# KiCad board rabbit_mask_capacitors.kicad_pcb (continued)
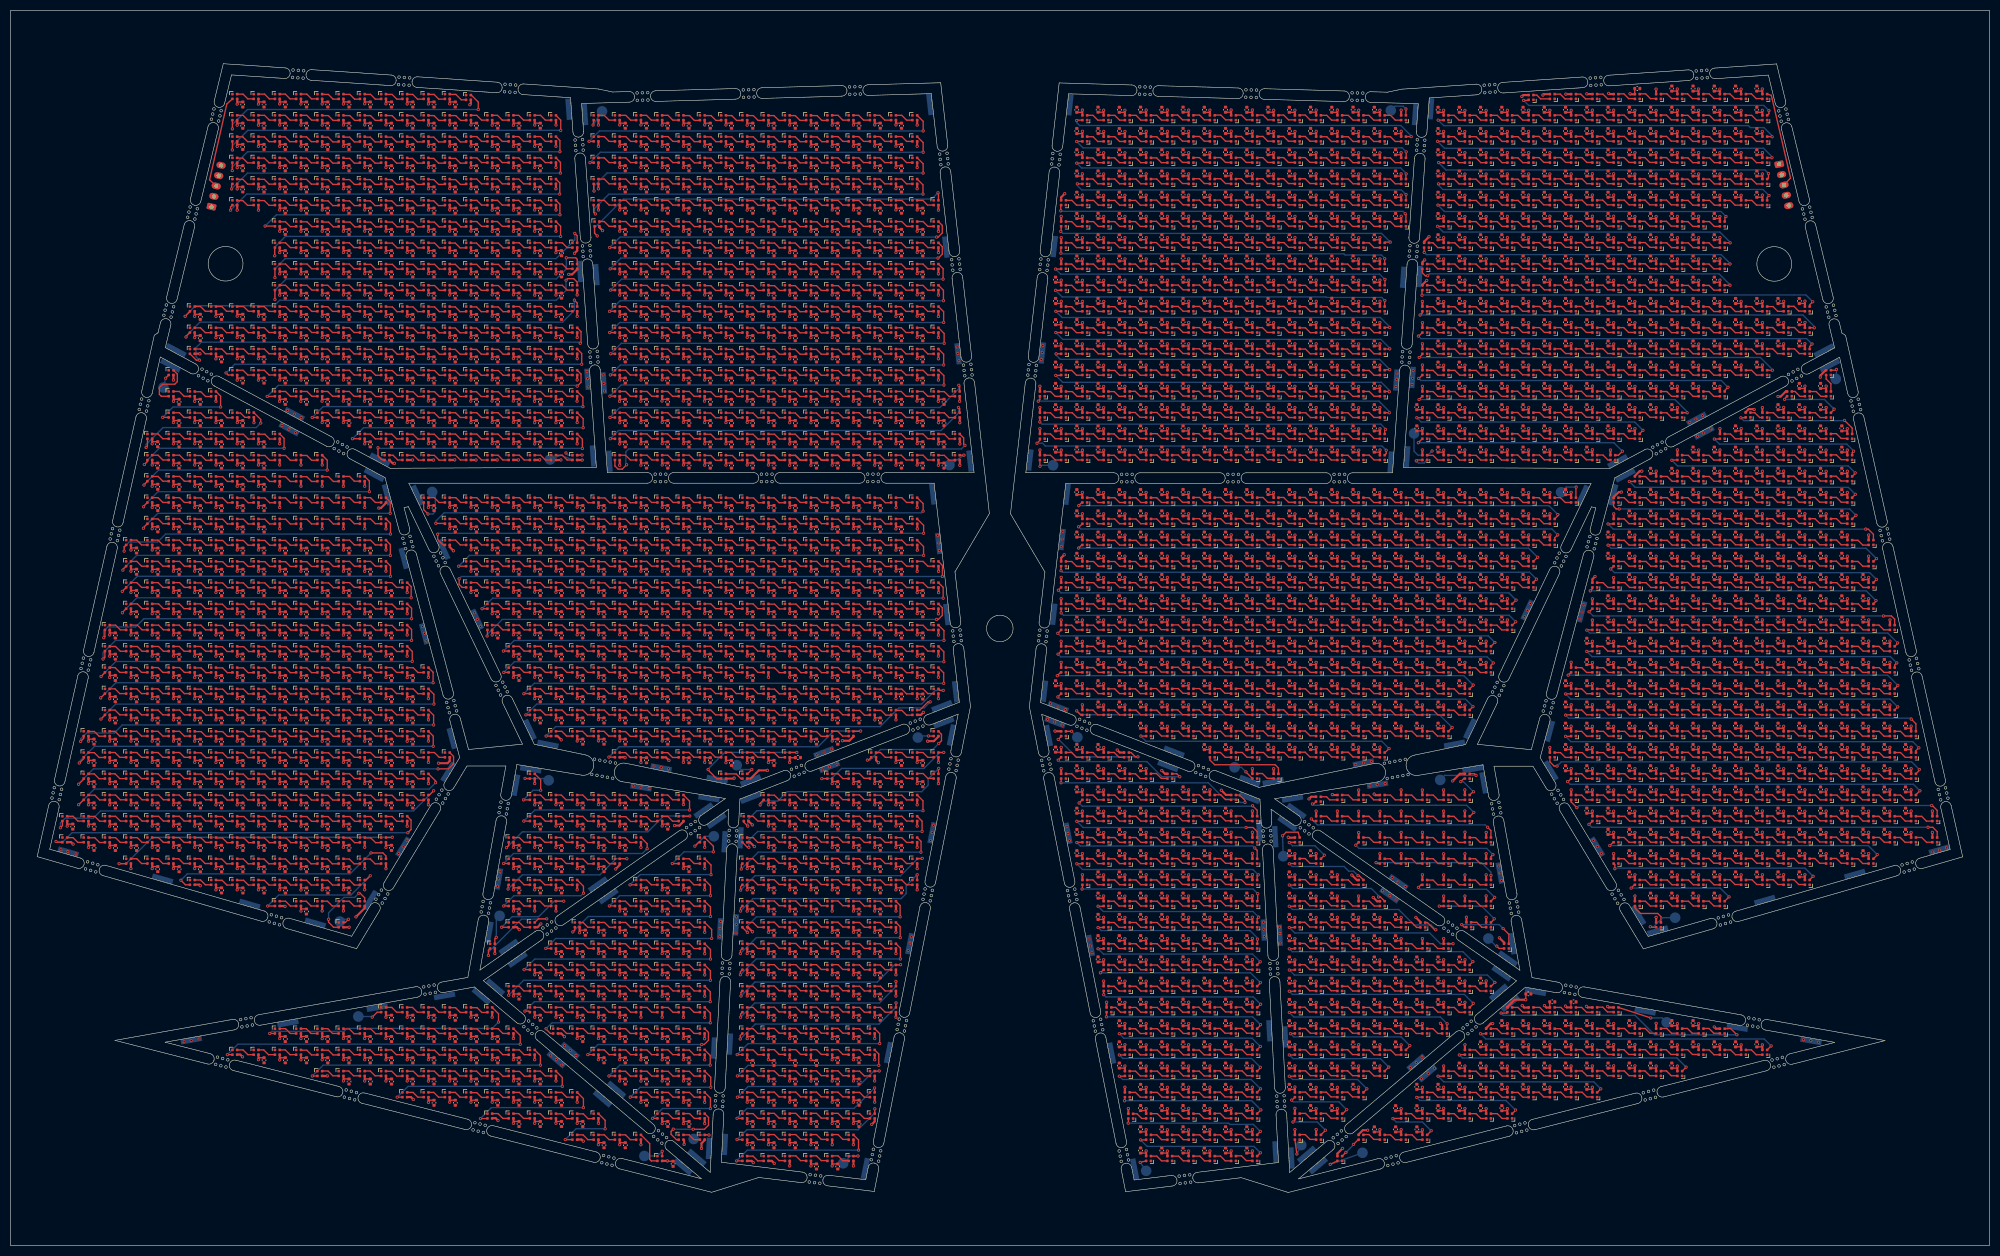
[diagram p0: board, top side]
## Placement (name value [footprint] x y rotation side) (continued)
C1485#1676  0.1uF  [C_0402_1005Metric]  131.7 106.86 270 top
C1485#1677  0.1uF  [C_0402_1005Metric]  296.7 181.86 90 top
C1485#1678  0.1uF  [C_0402_1005Metric]  220.7 213.88 90 top
C1485#1679  0.1uF  [C_0402_1005Metric]  304.7 141.86 90 top
C1485#1680  0.1uF  [C_0402_1005Metric]  159.7 114.86 270 top
C1485#1681  0.1uF  [C_0402_1005Metric]  232.7 129.86 90 top
C1485#1682  0.1uF  [C_0402_1005Metric]  316.7 217.86 90 top
C1485#1683  0.1uF  [C_0402_1005Metric]  328.7 165.86 90 top
C1485#1684  0.1uF  [C_0402_1005Metric]  67.7 178.84 270 top
C1485#1685  0.1uF  [C_0402_1005Metric]  151.7 94.86 270 top
C1485#1686  0.1uF  [C_0402_1005Metric]  304.7 185.86 90 top
C1485#1687  0.1uF  [C_0402_1005Metric]  147.7 174.86 270 top
C1485#1688  0.1uF  [C_0402_1005Metric]  127.7 114.86 270 top
C1485#1689  0.1uF  [C_0402_1005Metric]  59.72 86.84 270 top
C1485#1690  0.1uF  [C_0402_1005Metric]  67.7 110.86 270 top
C1485#1691  0.1uF  [C_0402_1005Metric]  320.7 201.86 90 top
C1485#1692  0.1uF  [C_0402_1005Metric]  292.7 41.86 90 top
C1485#1693  0.1uF  [C_0402_1005Metric]  103.72 66.84 270 top
C1485#1694  0.1uF  [C_0402_1005Metric]  220.71 101.86 90 top
C1485#1695  0.1uF  [C_0402_1005Metric]  35.72 86.84 270 top
C1485#1696  0.1uF  [C_0402_1005Metric]  260.71 25.84 90 top
C1485#1697  0.1uF  [C_0402_1005Metric]  59.72 90.84 270 top
C1485#1698  0.1uF  [C_0402_1005Metric]  304.7 113.86 90 top
C1485#1699  0.1uF  [C_0402_1005Metric]  312.7 37.86 90 top
C1485#1700  0.1uF  [C_0402_1005Metric]  143.7 54.86 270 top
C1485#1701  0.1uF  [C_0402_1005Metric]  167.7 103.36 270 top
C1485#1702  0.1uF  [C_0402_1005Metric]  300.7 81.86 90 top
C1485#1703  0.1uF  [C_0402_1005Metric]  228.7 177.86 90 top
C1485#1704  0.1uF  [C_0402_1005Metric]  308.7 213.86 90 top
C1485#1705  0.1uF  [C_0402_1005Metric]  272.7 161.86 90 top
C1485#1706  0.1uF  [C_0402_1005Metric]  135.7 102.86 270 top
C1485#1707  0.1uF  [C_0402_1005Metric]  224.7 205.86 90 top
C1485#1708  0.1uF  [C_0402_1005Metric]  43.7 166.86 270 top
C1485#1709  0.1uF  [C_0402_1005Metric]  216.7 29.84 90 top
C1485#1710  0.1uF  [C_0402_1005Metric]  99.7 114.86 270 top
C1485#1711  0.1uF  [C_0402_1005Metric]  83.7 190.86 270 top
C1485#1712  0.1uF  [C_0402_1005Metric]  79.7 26.86 270 top
C1485#1713  0.1uF  [C_0402_1005Metric]  63.7 66.86 270 top
C1485#1714  0.1uF  [C_0402_1005Metric]  340.7 153.86 90 top
C1485#1715  0.1uF  [C_0402_1005Metric]  139.7 146.86 270 top
C1485#1716  0.1uF  [C_0402_1005Metric]  123.7 58.86 270 top
C1485#1717  0.1uF  [C_0402_1005Metric]  19.7 106.86 270 top
C1485#1718  0.1uF  [C_0402_1005Metric]  135.7 178.86 270 top
C1485#1719  0.1uF  [C_0402_1005Metric]  316.7 129.86 90 top
C1485#1720  0.1uF  [C_0402_1005Metric]  216.7 193.86 90 top
C1485#1721  0.1uF  [C_0402_1005Metric]  256.71 21.84 90 top
C1485#1722  0.1uF  [C_0402_1005Metric]  155.7 190.86 270 top
C1485#1723  0.1uF  [C_0402_1005Metric]  204.7 201.88 90 top
C1485#1724  0.1uF  [C_0402_1005Metric]  252.7 117.86 90 top
C1485#1725  0.1uF  [C_0402_1005Metric]  352.7 85.86 90 top
C1485#1726  0.1uF  [C_0402_1005Metric]  300.7 173.86 90 top
C1485#1727  0.1uF  [C_0402_1005Metric]  252.7 37.84 90 top
C1485#1728  0.1uF  [C_0402_1005Metric]  300.7 117.86 90 top
C1485#1729  0.1uF  [C_0402_1005Metric]  328.7 213.86 90 top
C1485#1730  0.1uF  [C_0402_1005Metric]  252.7 105.86 90 top
C1485#1731  0.1uF  [C_0402_1005Metric]  324.7 113.86 90 top
C1485#1732  0.1uF  [C_0402_1005Metric]  328.7 101.86 90 top
C1485#1733  0.1uF  [C_0402_1005Metric]  151.7 14.86 270 top
C1485#1734  0.1uF  [C_0402_1005Metric]  204.7 57.86 90 top
C1485#1735  0.1uF  [C_0402_1005Metric]  316.7 105.86 90 top
C1485#1736  0.1uF  [C_0402_1005Metric]  324.7 73.86 90 top
C1485#1737  0.1uF  [C_0402_1005Metric]  95.7 130.86 270 top
C1485#1738  0.1uF  [C_0402_1005Metric]  276.7 181.86 90 top
C1485#1739  0.1uF  [C_0402_1005Metric]  115.7 170.86 270 top
C1485#1740  0.1uF  [C_0402_1005Metric]  204.7 153.86 90 top
C1485#1741  0.1uF  [C_0402_1005Metric]  43.72 82.84 270 top
C1485#1742  0.1uF  [C_0402_1005Metric]  39.7 154.86 270 top
C1485#1743  0.1uF  [C_0402_1005Metric]  135.7 206.86 270 top
C1485#1744  0.1uF  [C_0402_1005Metric]  208.7 165.88 90 top
C1485#1745  0.1uF  [C_0402_1005Metric]  212.7 45.86 90 top
C1485#1746  0.1uF  [C_0402_1005Metric]  139.7 18.86 270 top
C1485#1747  0.1uF  [C_0402_1005Metric]  316.7 89.86 90 top
C1485#1748  0.1uF  [C_0402_1005Metric]  147.7 22.86 270 top
C1485#1749  0.1uF  [C_0402_1005Metric]  35.72 70.84 270 top
C1485#1750  0.1uF  [C_0402_1005Metric]  240.7 97.86 90 top
C1485#1751  0.1uF  [C_0402_1005Metric]  127.7 106.86 270 top
C1485#1752  0.1uF  [C_0402_1005Metric]  123.7 138.86 270 top
C1485#1753  0.1uF  [C_0402_1005Metric]  324.7 89.86 90 top
C1485#1754  0.1uF  [C_0402_1005Metric]  288.7 173.86 90 top
C1485#1755  0.1uF  [C_0402_1005Metric]  171.7 86.86 270 top
C1485#1756  0.1uF  [C_0402_1005Metric]  232.7 21.86 90 top
C1485#1757  0.1uF  [C_0402_1005Metric]  75.7 194.86 270 top
C1485#1758  0.1uF  [C_0402_1005Metric]  35.72 74.84 270 top
C1485#1759  0.1uF  [C_0402_1005Metric]  87.7 178.84 270 top
C1485#1760  0.1uF  [C_0402_1005Metric]  139.7 38.86 270 top
C1485#1761  0.1uF  [C_0402_1005Metric]  87.7 190.86 270 top
C1485#1762  0.1uF  [C_0402_1005Metric]  232.7 173.88 90 top
C1485#1763  0.1uF  [C_0402_1005Metric]  316.7 173.86 90 top
C1485#1764  0.1uF  [C_0402_1005Metric]  304.7 93.86 90 top
C1485#1765  0.1uF  [C_0402_1005Metric]  63.7 74.86 270 top
C1485#1766  0.1uF  [C_0402_1005Metric]  244.7 117.86 90 top
C1485#1767  0.1uF  [C_0402_1005Metric]  43.7 162.86 270 top
C1485#1768  0.1uF  [C_0402_1005Metric]  171.7 110.86 270 top
C1485#1769  0.1uF  [C_0402_1005Metric]  171.7 194.86 270 top
C1485#1770  0.1uF  [C_0402_1005Metric]  312.7 169.86 90 top
C1485#1771  0.1uF  [C_0402_1005Metric]  171.7 158.86 270 top
C1485#1772  0.1uF  [C_0402_1005Metric]  51.72 114.86 270 top
C1485#1773  0.1uF  [C_0402_1005Metric]  228.7 161.86 90 top
C1485#1774  0.1uF  [C_0402_1005Metric]  43.72 86.84 270 top
C1485#1775  0.1uF  [C_0402_1005Metric]  216.7 205.86 90 top
C1485#1776  0.1uF  [C_0402_1005Metric]  75.7 158.86 270 top
C1485#1777  0.1uF  [C_0402_1005Metric]  208.7 153.88 90 top
C1485#1778  0.1uF  [C_0402_1005Metric]  39.72 118.84 270 top
C1485#1779  0.1uF  [C_0402_1005Metric]  27.72 86.84 270 top
C1485#1780  0.1uF  [C_0402_1005Metric]  35.72 82.84 270 top
C1485#1781  0.1uF  [C_0402_1005Metric]  79.7 182.86 270 top
C1485#1782  0.1uF  [C_0402_1005Metric]  47.72 98.84 270 top
C1485#1783  0.1uF  [C_0402_1005Metric]  159.7 158.86 270 top
C1485#1784  0.1uF  [C_0402_1005Metric]  23.7 118.86 270 top
C1485#1785  0.1uF  [C_0402_1005Metric]  99.7 154.86 270 top
C1485#1786  0.1uF  [C_0402_1005Metric]  147.7 50.86 270 top
C1485#1787  0.1uF  [C_0402_1005Metric]  55.72 106.84 270 top
C1485#1788  0.1uF  [C_0402_1005Metric]  328.7 137.86 90 top
C1485#1789  0.1uF  [C_0402_1005Metric]  55.7 70.86 270 top
C1485#1790  0.1uF  [C_0402_1005Metric]  171.7 162.86 270 top
C1485#1791  0.1uF  [C_0402_1005Metric]  107.7 42.86 270 top
C1485#1792  0.1uF  [C_0402_1005Metric]  328.7 73.86 90 top
C1485#1793  0.1uF  [C_0402_1005Metric]  212.71 101.86 90 top
C1485#1794  0.1uF  [C_0402_1005Metric]  59.7 198.86 270 top
C1485#1795  0.1uF  [C_0402_1005Metric]  304.7 213.86 90 top
C1485#1796  0.1uF  [C_0402_1005Metric]  19.72 86.84 270 top
C1485#1797  0.1uF  [C_0402_1005Metric]  248.7 97.86 90 top
C1485#1798  0.1uF  [C_0402_1005Metric]  240.7 157.88 90 top
C1485#1799  0.1uF  [C_0402_1005Metric]  288.7 153.86 90 top
C1485#1800  0.1uF  [C_0402_1005Metric]  47.72 106.84 270 top
C1485#1801  0.1uF  [C_0402_1005Metric]  167.7 154.84 270 top
C1485#1802  0.1uF  [C_0402_1005Metric]  252.7 33.86 90 top
C1485#1803  0.1uF  [C_0402_1005Metric]  272.7 165.86 90 top
C1485#1804  0.1uF  [C_0402_1005Metric]  204.7 149.86 90 top
C1485#1805  0.1uF  [C_0402_1005Metric]  99.7 102.86 270 top
C1485#1806  0.1uF  [C_0402_1005Metric]  63.7 38.86 270 top
C1485#1807  0.1uF  [C_0402_1005Metric]  216.7 81.86 90 top
C1485#1808  0.1uF  [C_0402_1005Metric]  208.7 209.86 90 top
C1485#1809  0.1uF  [C_0402_1005Metric]  208.7 125.86 90 top
C1485#1810  0.1uF  [C_0402_1005Metric]  324.7 133.86 90 top
C1485#1811  0.1uF  [C_0402_1005Metric]  220.7 153.86 90 top
C1485#1812  0.1uF  [C_0402_1005Metric]  324.7 217.86 90 top
C1485#1813  0.1uF  [C_0402_1005Metric]  143.7 174.86 270 top
C1485#1814  0.1uF  [C_0402_1005Metric]  272.7 137.86 90 top
C1485#1815  0.1uF  [C_0402_1005Metric]  171.7 114.86 270 top
C1485#1816  0.1uF  [C_0402_1005Metric]  147.7 202.86 270 top
C1485#1817  0.1uF  [C_0402_1005Metric]  328.7 169.86 90 top
C1485#1818  0.1uF  [C_0402_1005Metric]  167.7 158.86 270 top
C1485#1819  0.1uF  [C_0402_1005Metric]  240.7 213.86 90 top
C1485#1820  0.1uF  [C_0402_1005Metric]  336.7 129.86 90 top
C1485#1821  0.1uF  [C_0402_1005Metric]  47.72 90.84 270 top
C1485#1822  0.1uF  [C_0402_1005Metric]  240.7 117.86 90 top
C1485#1823  0.1uF  [C_0402_1005Metric]  340.7 109.86 90 top
C1485#1824  0.1uF  [C_0402_1005Metric]  163.7 210.86 270 top
C1485#1825  0.1uF  [C_0402_1005Metric]  67.7 154.86 270 top
C1485#1826  0.1uF  [C_0402_1005Metric]  47.7 166.86 270 top
C1485#1827  0.1uF  [C_0402_1005Metric]  204.7 125.86 90 top
C1485#1828  0.1uF  [C_0402_1005Metric]  55.72 118.84 270 top
C1485#1829  0.1uF  [C_0402_1005Metric]  228.7 45.86 90 top
C1485#1830  0.1uF  [C_0402_1005Metric]  83.7 186.86 270 top
C1485#1831  0.1uF  [C_0402_1005Metric]  35.7 150.86 270 top
C1485#1832  0.1uF  [C_0402_1005Metric]  43.7 214.86 270 top
C1485#1833  0.1uF  [C_0402_1005Metric]  103.7 174.86 270 top
C1485#1834  0.1uF  [C_0402_1005Metric]  139.7 34.36 270 top
C1485#1835  0.1uF  [C_0402_1005Metric]  39.72 126.84 270 top
C1485#1836  0.1uF  [C_0402_1005Metric]  208.7 117.86 90 top
C1485#1837  0.1uF  [C_0402_1005Metric]  115.7 186.86 270 top
C1485#1838  0.1uF  [C_0402_1005Metric]  131.7 206.86 270 top
C1485#1839  0.1uF  [C_0402_1005Metric]  220.7 173.86 90 top
C1485#1840  0.1uF  [C_0402_1005Metric]  340.7 137.86 90 top
C1485#1841  0.1uF  [C_0402_1005Metric]  163.7 130.86 270 top
C1485#1842  0.1uF  [C_0402_1005Metric]  348.7 77.86 90 top
C1485#1843  0.1uF  [C_0402_1005Metric]  224.7 97.86 90 top
C1485#1844  0.1uF  [C_0402_1005Metric]  332.7 117.86 90 top
C1485#1845  0.1uF  [C_0402_1005Metric]  212.7 49.86 90 top
C1485#1846  0.1uF  [C_0402_1005Metric]  31.72 126.84 270 top
C1485#1847  0.1uF  [C_0402_1005Metric]  300.7 113.86 90 top
C1485#1848  0.1uF  [C_0402_1005Metric]  159.7 82.86 270 top
C1485#1849  0.1uF  [C_0402_1005Metric]  67.7 162.86 270 top
C1485#1850  0.1uF  [C_0402_1005Metric]  240.7 93.84 90 top
C1485#1851  0.1uF  [C_0402_1005Metric]  324.7 101.86 90 top
C1485#1852  0.1uF  [C_0402_1005Metric]  268.7 45.84 90 top
C1485#1853  0.1uF  [C_0402_1005Metric]  276.7 137.86 90 top
C1485#1854  0.1uF  [C_0402_1005Metric]  220.7 149.86 90 top
C1485#1855  0.1uF  [C_0402_1005Metric]  232.7 133.86 90 top
C1485#1856  0.1uF  [C_0402_1005Metric]  15.7 90.86 270 top
C1485#1857  0.1uF  [C_0402_1005Metric]  292.7 213.86 90 top
C1485#1858  0.1uF  [C_0402_1005Metric]  159.7 50.86 270 top
C1485#1859  0.1uF  [C_0402_1005Metric]  135.7 170.86 270 top
C1485#1860  0.1uF  [C_0402_1005Metric]  276.7 205.86 90 top
C1485#1861  0.1uF  [C_0402_1005Metric]  87.7 130.86 270 top
C1485#1862  0.1uF  [C_0402_1005Metric]  43.72 70.84 270 top
C1485#1863  0.1uF  [C_0402_1005Metric]  147.7 58.86 270 top
C1485#1864  0.1uF  [C_0402_1005Metric]  167.7 166.86 270 top
C1485#1865  0.1uF  [C_0402_1005Metric]  272.7 173.86 90 top
C1485#1866  0.1uF  [C_0402_1005Metric]  328.7 37.86 90 top
C1485#1867  0.1uF  [C_0402_1005Metric]  127.7 182.86 270 top
C1485#1868  0.1uF  [C_0402_1005Metric]  300.7 181.86 90 top
C1485#1869  0.1uF  [C_0402_1005Metric]  147.7 126.86 270 top
C1485#1870  0.1uF  [C_0402_1005Metric]  300.7 177.86 90 top
C1485#1871  0.1uF  [C_0402_1005Metric]  123.7 162.86 270 top
C1485#1872  0.1uF  [C_0402_1005Metric]  99.7 118.86 270 top
C1485#1873  0.1uF  [C_0402_1005Metric]  208.7 65.86 90 top
C1485#1874  0.1uF  [C_0402_1005Metric]  139.7 91.36 270 top
C1485#1875  0.1uF  [C_0402_1005Metric]  252.7 153.86 90 top
C1485#1876  0.1uF  [C_0402_1005Metric]  240.7 141.86 90 top
C1485#1877  0.1uF  [C_0402_1005Metric]  208.7 173.88 90 top
C1485#1878  0.1uF  [C_0402_1005Metric]  87.7 42.86 270 top
C1485#1879  0.1uF  [C_0402_1005Metric]  316.7 141.86 90 top
C1485#1880  0.1uF  [C_0402_1005Metric]  260.7 41.84 90 top
C1485#1881  0.1uF  [C_0402_1005Metric]  159.7 98.86 270 top
C1485#1882  0.1uF  [C_0402_1005Metric]  212.7 201.88 90 top
C1485#1883  0.1uF  [C_0402_1005Metric]  308.7 69.86 90 top
C1485#1884  0.1uF  [C_0402_1005Metric]  159.7 138.86 270 top
C1485#1885  0.1uF  [C_0402_1005Metric]  208.7 69.86 90 top
C1485#1886  0.1uF  [C_0402_1005Metric]  304.7 189.86 90 top
C1485#1887  0.1uF  [C_0402_1005Metric]  236.7 137.86 90 top
C1485#1888  0.1uF  [C_0402_1005Metric]  103.72 78.84 270 top
C1485#1889  0.1uF  [C_0402_1005Metric]  324.7 109.86 90 top
C1485#1890  0.1uF  [C_0402_1005Metric]  260.7 53.84 90 top
C1485#1891  0.1uF  [C_0402_1005Metric]  19.72 90.84 270 top
C1485#1892  0.1uF  [C_0402_1005Metric]  59.7 158.86 270 top
C1485#1893  0.1uF  [C_0402_1005Metric]  99.7 22.86 270 top
C1485#1894  0.1uF  [C_0402_1005Metric]  272.7 141.86 90 top
C1485#1895  0.1uF  [C_0402_1005Metric]  324.7 77.86 90 top
C1485#1896  0.1uF  [C_0402_1005Metric]  139.7 42.86 270 top
C1485#1897  0.1uF  [C_0402_1005Metric]  284.7 129.86 90 top
C1485#1898  0.1uF  [C_0402_1005Metric]  103.7 126.86 270 top
C1485#1899  0.1uF  [C_0402_1005Metric]  87.7 182.86 270 top
C1485#1900  0.1uF  [C_0402_1005Metric]  308.7 89.86 90 top
C1485#1901  0.1uF  [C_0402_1005Metric]  167.7 194.86 270 top
C1485#1902  0.1uF  [C_0402_1005Metric]  115.7 42.86 270 top
C1485#1903  0.1uF  [C_0402_1005Metric]  59.72 74.84 270 top
C1485#1904  0.1uF  [C_0402_1005Metric]  111.7 130.86 270 top
C1485#1905  0.1uF  [C_0402_1005Metric]  228.7 173.86 90 top
C1485#1906  0.1uF  [C_0402_1005Metric]  151.7 38.86 270 top
C1485#1907  0.1uF  [C_0402_1005Metric]  228.7 41.84 90 top
C1485#1908  0.1uF  [C_0402_1005Metric]  304.7 97.86 90 top
C1485#1909  0.1uF  [C_0402_1005Metric]  208.7 141.86 90 top
C1485#1910  0.1uF  [C_0402_1005Metric]  212.7 85.86 90 top
C1485#1911  0.1uF  [C_0402_1005Metric]  51.7 202.86 270 top
C1485#1912  0.1uF  [C_0402_1005Metric]  336.7 173.86 90 top
C1485#1913  0.1uF  [C_0402_1005Metric]  340.7 101.86 90 top
C1485#1914  0.1uF  [C_0402_1005Metric]  115.7 190.86 270 top
C1485#1915  0.1uF  [C_0402_1005Metric]  340.7 77.86 90 top
C1485#1916  0.1uF  [C_0402_1005Metric]  272.7 125.86 90 top
C1485#1917  0.1uF  [C_0402_1005Metric]  167.7 202.84 270 top
C1485#1918  0.1uF  [C_0402_1005Metric]  252.7 29.86 90 top
C1485#1919  0.1uF  [C_0402_1005Metric]  95.7 174.86 270 top
C1485#1920  0.1uF  [C_0402_1005Metric]  236.7 93.84 90 top
C1485#1921  0.1uF  [C_0402_1005Metric]  308.7 97.86 90 top
C1485#1922  0.1uF  [C_0402_1005Metric]  292.7 97.86 90 top
C1485#1923  0.1uF  [C_0402_1005Metric]  147.7 34.36 270 top
C1485#1924  0.1uF  [C_0402_1005Metric]  344.7 153.86 90 top
C1485#1925  0.1uF  [C_0402_1005Metric]  236.7 181.86 90 top
C1485#1926  0.1uF  [C_0402_1005Metric]  147.7 46.86 270 top
C1485#1927  0.1uF  [C_0402_1005Metric]  344.7 105.86 90 top
C1485#1928  0.1uF  [C_0402_1005Metric]  212.7 173.86 90 top
C1485#1929  0.1uF  [C_0402_1005Metric]  224.7 113.86 90 top
C1485#1930  0.1uF  [C_0402_1005Metric]  290.2 45.86 0 top
C1485#1931  0.1uF  [C_0402_1005Metric]  308.7 205.86 90 top
C1485#1932  0.1uF  [C_0402_1005Metric]  107.7 110.86 270 top
C1485#1933  0.1uF  [C_0402_1005Metric]  256.7 37.84 90 top
C1485#1934  0.1uF  [C_0402_1005Metric]  71.7 102.86 270 top
C1485#1935  0.1uF  [C_0402_1005Metric]  208.7 205.86 90 top
C1485#1936  0.1uF  [C_0402_1005Metric]  115.7 54.86 270 top
C1485#1937  0.1uF  [C_0402_1005Metric]  143.7 150.84 270 top
C1485#1938  0.1uF  [C_0402_1005Metric]  115.7 78.86 270 top
C1485#1939  0.1uF  [C_0402_1005Metric]  268.7 49.84 90 top
C1485#1940  0.1uF  [C_0402_1005Metric]  220.7 117.86 90 top
C1485#1941  0.1uF  [C_0402_1005Metric]  300.7 193.86 90 top
C1485#1942  0.1uF  [C_0402_1005Metric]  320.7 65.86 90 top
C1485#1943  0.1uF  [C_0402_1005Metric]  167.7 174.86 270 top
C1485#1944  0.1uF  [C_0402_1005Metric]  292.7 153.86 90 top
C1485#1945  0.1uF  [C_0402_1005Metric]  228.7 181.86 90 top
C1485#1946  0.1uF  [C_0402_1005Metric]  123.7 178.86 270 top
C1485#1947  0.1uF  [C_0402_1005Metric]  123.7 146.86 270 top
C1485#1948  0.1uF  [C_0402_1005Metric]  344.7 73.86 90 top
C1485#1949  0.1uF  [C_0402_1005Metric]  292.7 173.86 90 top
C1485#1950  0.1uF  [C_0402_1005Metric]  87.7 26.86 270 top
C1485#1951  0.1uF  [C_0402_1005Metric]  248.7 193.86 90 top
C1485#1952  0.1uF  [C_0402_1005Metric]  304.7 33.86 90 top
C1485#1953  0.1uF  [C_0402_1005Metric]  256.7 149.86 90 top
C1485#1954  0.1uF  [C_0402_1005Metric]  288.7 161.86 90 top
C1485#1955  0.1uF  [C_0402_1005Metric]  123.7 186.86 270 top
C1485#1956  0.1uF  [C_0402_1005Metric]  200.7 117.86 90 top
C1485#1957  0.1uF  [C_0402_1005Metric]  316.7 149.86 90 top
C1485#1958  0.1uF  [C_0402_1005Metric]  284.7 161.86 90 top
C1485#1959  0.1uF  [C_0402_1005Metric]  31.72 78.84 270 top
C1485#1960  0.1uF  [C_0402_1005Metric]  240.71 101.86 90 top
C1485#1961  0.1uF  [C_0402_1005Metric]  163.7 186.86 270 top
C1485#1962  0.1uF  [C_0402_1005Metric]  276.7 109.86 90 top
C1485#1963  0.1uF  [C_0402_1005Metric]  91.7 34.86 270 top
C1485#1964  0.1uF  [C_0402_1005Metric]  119.7 122.86 270 top
C1485#1965  0.1uF  [C_0402_1005Metric]  304.7 105.86 90 top
C1485#1966  0.1uF  [C_0402_1005Metric]  159.7 198.86 270 top
C1485#1967  0.1uF  [C_0402_1005Metric]  300.7 165.86 90 top
C1485#1968  0.1uF  [C_0402_1005Metric]  123.7 198.86 270 top
C1485#1969  0.1uF  [C_0402_1005Metric]  159.7 62.86 270 top
C1485#1970  0.1uF  [C_0402_1005Metric]  300.7 157.86 90 top
C1485#1971  0.1uF  [C_0402_1005Metric]  332.7 125.86 90 top
C1485#1972  0.1uF  [C_0402_1005Metric]  67.7 214.86 270 top
C1485#1973  0.1uF  [C_0402_1005Metric]  123.7 22.86 270 top
C1485#1974  0.1uF  [C_0402_1005Metric]  111.7 74.86 270 top
C1485#1975  0.1uF  [C_0402_1005Metric]  324.7 93.86 90 top
C1485#1976  0.1uF  [C_0402_1005Metric]  200.7 157.88 90 top
C1485#1977  0.1uF  [C_0402_1005Metric]  284.7 153.86 90 top
C1485#1978  0.1uF  [C_0402_1005Metric]  280.7 197.86 90 top
C1485#1979  0.1uF  [C_0402_1005Metric]  167.7 182.86 270 top
C1485#1980  0.1uF  [C_0402_1005Metric]  39.7 74.86 270 top
C1485#1981  0.1uF  [C_0402_1005Metric]  232.7 197.86 90 top
C1485#1982  0.1uF  [C_0402_1005Metric]  228.71 73.86 90 top
C1485#1983  0.1uF  [C_0402_1005Metric]  316.7 169.86 90 top
C1485#1984  0.1uF  [C_0402_1005Metric]  151.7 210.86 270 top
C1485#1985  0.1uF  [C_0402_1005Metric]  163.7 194.86 270 top
C1485#1986  0.1uF  [C_0402_1005Metric]  208.7 57.86 90 top
C1485#1987  0.1uF  [C_0402_1005Metric]  204.71 77.84 90 top
C1485#1988  0.1uF  [C_0402_1005Metric]  139.7 106.86 270 top
C1485#1989  0.1uF  [C_0402_1005Metric]  31.7 158.86 270 top
C1485#1990  0.1uF  [C_0402_1005Metric]  107.7 130.86 270 top
C1485#1991  0.1uF  [C_0402_1005Metric]  224.7 37.86 90 top
C1485#1992  0.1uF  [C_0402_1005Metric]  119.7 62.86 270 top
C1485#1993  0.1uF  [C_0402_1005Metric]  83.7 158.86 270 top
C1485#1994  0.1uF  [C_0402_1005Metric]  23.72 114.84 270 top
C1485#1995  0.1uF  [C_0402_1005Metric]  127.7 38.86 270 top
C1485#1996  0.1uF  [C_0402_1005Metric]  348.7 97.86 90 top
C1485#1997  0.1uF  [C_0402_1005Metric]  204.7 169.86 90 top
C1485#1998  0.1uF  [C_0402_1005Metric]  27.72 130.84 270 top
C1485#1999  0.1uF  [C_0402_1005Metric]  119.7 110.86 270 top
C1485#2000  0.1uF  [C_0402_1005Metric]  316.7 197.86 90 top
C1485#2001  0.1uF  [C_0402_1005Metric]  163.7 146.86 270 top
C1485#2002  0.1uF  [C_0402_1005Metric]  79.7 202.86 270 top
C1485#2003  0.1uF  [C_0402_1005Metric]  151.7 70.86 270 top
C1485#2004  0.1uF  [C_0402_1005Metric]  224.7 213.86 90 top
C1485#2005  0.1uF  [C_0402_1005Metric]  320.7 177.86 90 top
C1485#2006  0.1uF  [C_0402_1005Metric]  324.7 105.86 90 top
C1485#2007  0.1uF  [C_0402_1005Metric]  59.7 206.86 270 top
C1485#2008  0.1uF  [C_0402_1005Metric]  43.7 98.86 270 top
C1485#2009  0.1uF  [C_0402_1005Metric]  47.7 118.86 270 top
C1485#2010  0.1uF  [C_0402_1005Metric]  276.7 173.86 90 top
C1485#2011  0.1uF  [C_0402_1005Metric]  236.7 109.86 90 top
C1485#2012  0.1uF  [C_0402_1005Metric]  220.7 121.86 90 top
C1485#2013  0.1uF  [C_0402_1005Metric]  155.7 134.86 270 top
C1485#2014  0.1uF  [C_0402_1005Metric]  264.71 21.84 90 top
C1485#2015  0.1uF  [C_0402_1005Metric]  127.7 98.86 270 top
C1485#2016  0.1uF  [C_0402_1005Metric]  200.71 77.84 90 top
C1485#2017  0.1uF  [C_0402_1005Metric]  344.7 141.86 90 top
C1485#2018  0.1uF  [C_0402_1005Metric]  268.7 97.86 90 top
C1485#2019  0.1uF  [C_0402_1005Metric]  155.7 186.86 270 top
C1485#2020  0.1uF  [C_0402_1005Metric]  35.72 98.84 270 top
C1485#2021  0.1uF  [C_0402_1005Metric]  204.7 129.86 90 top
C1485#2022  0.1uF  [C_0402_1005Metric]  320.7 97.86 90 top
C1485#2023  0.1uF  [C_0402_1005Metric]  212.7 141.88 90 top
C1485#2024  0.1uF  [C_0402_1005Metric]  31.72 82.84 270 top
C1485#2025  0.1uF  [C_0402_1005Metric]  159.7 126.86 270 top
C1485#2026  0.1uF  [C_0402_1005Metric]  268.7 113.86 90 top
C1485#2027  0.1uF  [C_0402_1005Metric]  151.7 74.86 270 top
C1485#2028  0.1uF  [C_0402_1005Metric]  356.7 85.86 90 top
C1485#2029  0.1uF  [C_0402_1005Metric]  292.7 101.86 90 top
C1485#2030  0.1uF  [C_0402_1005Metric]  155.7 158.86 270 top
C1485#2031  0.1uF  [C_0402_1005Metric]  316.7 205.86 90 top
C1485#2032  0.1uF  [C_0402_1005Metric]  276.7 117.86 90 top
C1485#2033  0.1uF  [C_0402_1005Metric]  216.7 129.86 90 top
C1485#2034  0.1uF  [C_0402_1005Metric]  252.7 169.86 90 top
C1485#2035  0.1uF  [C_0402_1005Metric]  159.7 174.86 270 top
C1485#2036  0.1uF  [C_0402_1005Metric]  204.7 61.86 90 top
C1485#2037  0.1uF  [C_0402_1005Metric]  163.7 126.86 270 top
C1485#2038  0.1uF  [C_0402_1005Metric]  336.7 161.86 90 top
C1485#2039  0.1uF  [C_0402_1005Metric]  91.7 122.86 270 top
C1485#2040  0.1uF  [C_0402_1005Metric]  248.7 181.88 90 top
C1485#2041  0.1uF  [C_0402_1005Metric]  228.7 149.86 90 top
C1485#2042  0.1uF  [C_0402_1005Metric]  280.7 133.86 90 top
C1485#2043  0.1uF  [C_0402_1005Metric]  244.7 121.86 90 top
C1485#2044  0.1uF  [C_0402_1005Metric]  304.7 193.86 90 top
C1485#2045  0.1uF  [C_0402_1005Metric]  204.7 81.86 90 top
C1485#2046  0.1uF  [C_0402_1005Metric]  320.7 109.86 90 top
C1485#2047  0.1uF  [C_0402_1005Metric]  75.7 210.86 270 top
C1485#2048  0.1uF  [C_0402_1005Metric]  87.7 154.86 270 top
C1485#2049  0.1uF  [C_0402_1005Metric]  232.7 117.86 90 top
C1485#2050  0.1uF  [C_0402_1005Metric]  131.7 102.86 270 top
C1485#2051  0.1uF  [C_0402_1005Metric]  336.7 69.86 90 top
C1485#2052  0.1uF  [C_0402_1005Metric]  204.7 69.86 90 top
C1485#2053  0.1uF  [C_0402_1005Metric]  284.7 137.86 90 top
C1485#2054  0.1uF  [C_0402_1005Metric]  159.7 74.86 270 top
C1485#2055  0.1uF  [C_0402_1005Metric]  308.7 121.86 90 top
C1485#2056  0.1uF  [C_0402_1005Metric]  328.7 205.86 90 top
C1485#2057  0.1uF  [C_0402_1005Metric]  123.7 54.86 270 top
C1485#2058  0.1uF  [C_0402_1005Metric]  99.7 82.86 270 top
C1485#2059  0.1uF  [C_0402_1005Metric]  304.7 137.86 90 top
C1485#2060  0.1uF  [C_0402_1005Metric]  151.7 134.86 270 top
C1485#2061  0.1uF  [C_0402_1005Metric]  115.7 106.86 270 top
C1485#2062  0.1uF  [C_0402_1005Metric]  123.7 50.86 270 top
C1485#2063  0.1uF  [C_0402_1005Metric]  300.7 185.86 90 top
C1485#2064  0.1uF  [C_0402_1005Metric]  288.7 165.86 90 top
C1485#2065  0.1uF  [C_0402_1005Metric]  79.7 194.86 270 top
C1485#2066  0.1uF  [C_0402_1005Metric]  99.7 78.86 270 top
C1485#2067  0.1uF  [C_0402_1005Metric]  99.7 186.86 270 top
C1485#2068  0.1uF  [C_0402_1005Metric]  256.7 53.84 90 top
C1485#2069  0.1uF  [C_0402_1005Metric]  244.7 129.86 90 top
C1485#2070  0.1uF  [C_0402_1005Metric]  268.71 101.86 90 top
C1485#2071  0.1uF  [C_0402_1005Metric]  276.7 197.86 90 top
C1485#2072  0.1uF  [C_0402_1005Metric]  83.7 170.86 270 top
C1485#2073  0.1uF  [C_0402_1005Metric]  264.7 49.84 90 top
C1485#2074  0.1uF  [C_0402_1005Metric]  107.7 46.86 270 top
C1485#2075  0.1uF  [C_0402_1005Metric]  316.7 81.86 90 top
C1485#2076  0.1uF  [C_0402_1005Metric]  51.72 66.84 270 top
C1485#2077  0.1uF  [C_0402_1005Metric]  83.7 134.86 270 top
C1485#2078  0.1uF  [C_0402_1005Metric]  208.7 109.86 90 top
C1485#2079  0.1uF  [C_0402_1005Metric]  171.7 150.86 270 top
C1485#2080  0.1uF  [C_0402_1005Metric]  155.7 46.86 270 top
C1485#2081  0.1uF  [C_0402_1005Metric]  103.7 138.86 270 top
C1485#2082  0.1uF  [C_0402_1005Metric]  35.72 114.84 270 top
C1485#2083  0.1uF  [C_0402_1005Metric]  115.7 34.86 270 top
C1485#2084  0.1uF  [C_0402_1005Metric]  167.7 130.86 270 top
C1485#2085  0.1uF  [C_0402_1005Metric]  248.71 101.86 90 top
C1485#2086  0.1uF  [C_0402_1005Metric]  216.7 189.86 90 top
C1485#2087  0.1uF  [C_0402_1005Metric]  272.7 153.86 90 top
C1485#2088  0.1uF  [C_0402_1005Metric]  300.7 105.86 90 top
C1485#2089  0.1uF  [C_0402_1005Metric]  200.7 133.86 90 top
C1485#2090  0.1uF  [C_0402_1005Metric]  264.7 133.86 90 top